# Altium PCB EDA-03517-V2-0_pcb.pcbdoc (part 4 of 5)
Units mm, origin at the board's own origin, x right, y up, seen from the top; angles counter-clockwise.
Board outline 220 x 264 mm, 8 copper layers (Top Layer, L2, L3, L4, L5, L6, L7, Bottom Layer), stack 2.18 mm thick; 439 components, 290 nets, 1011 pads, 273 vias.
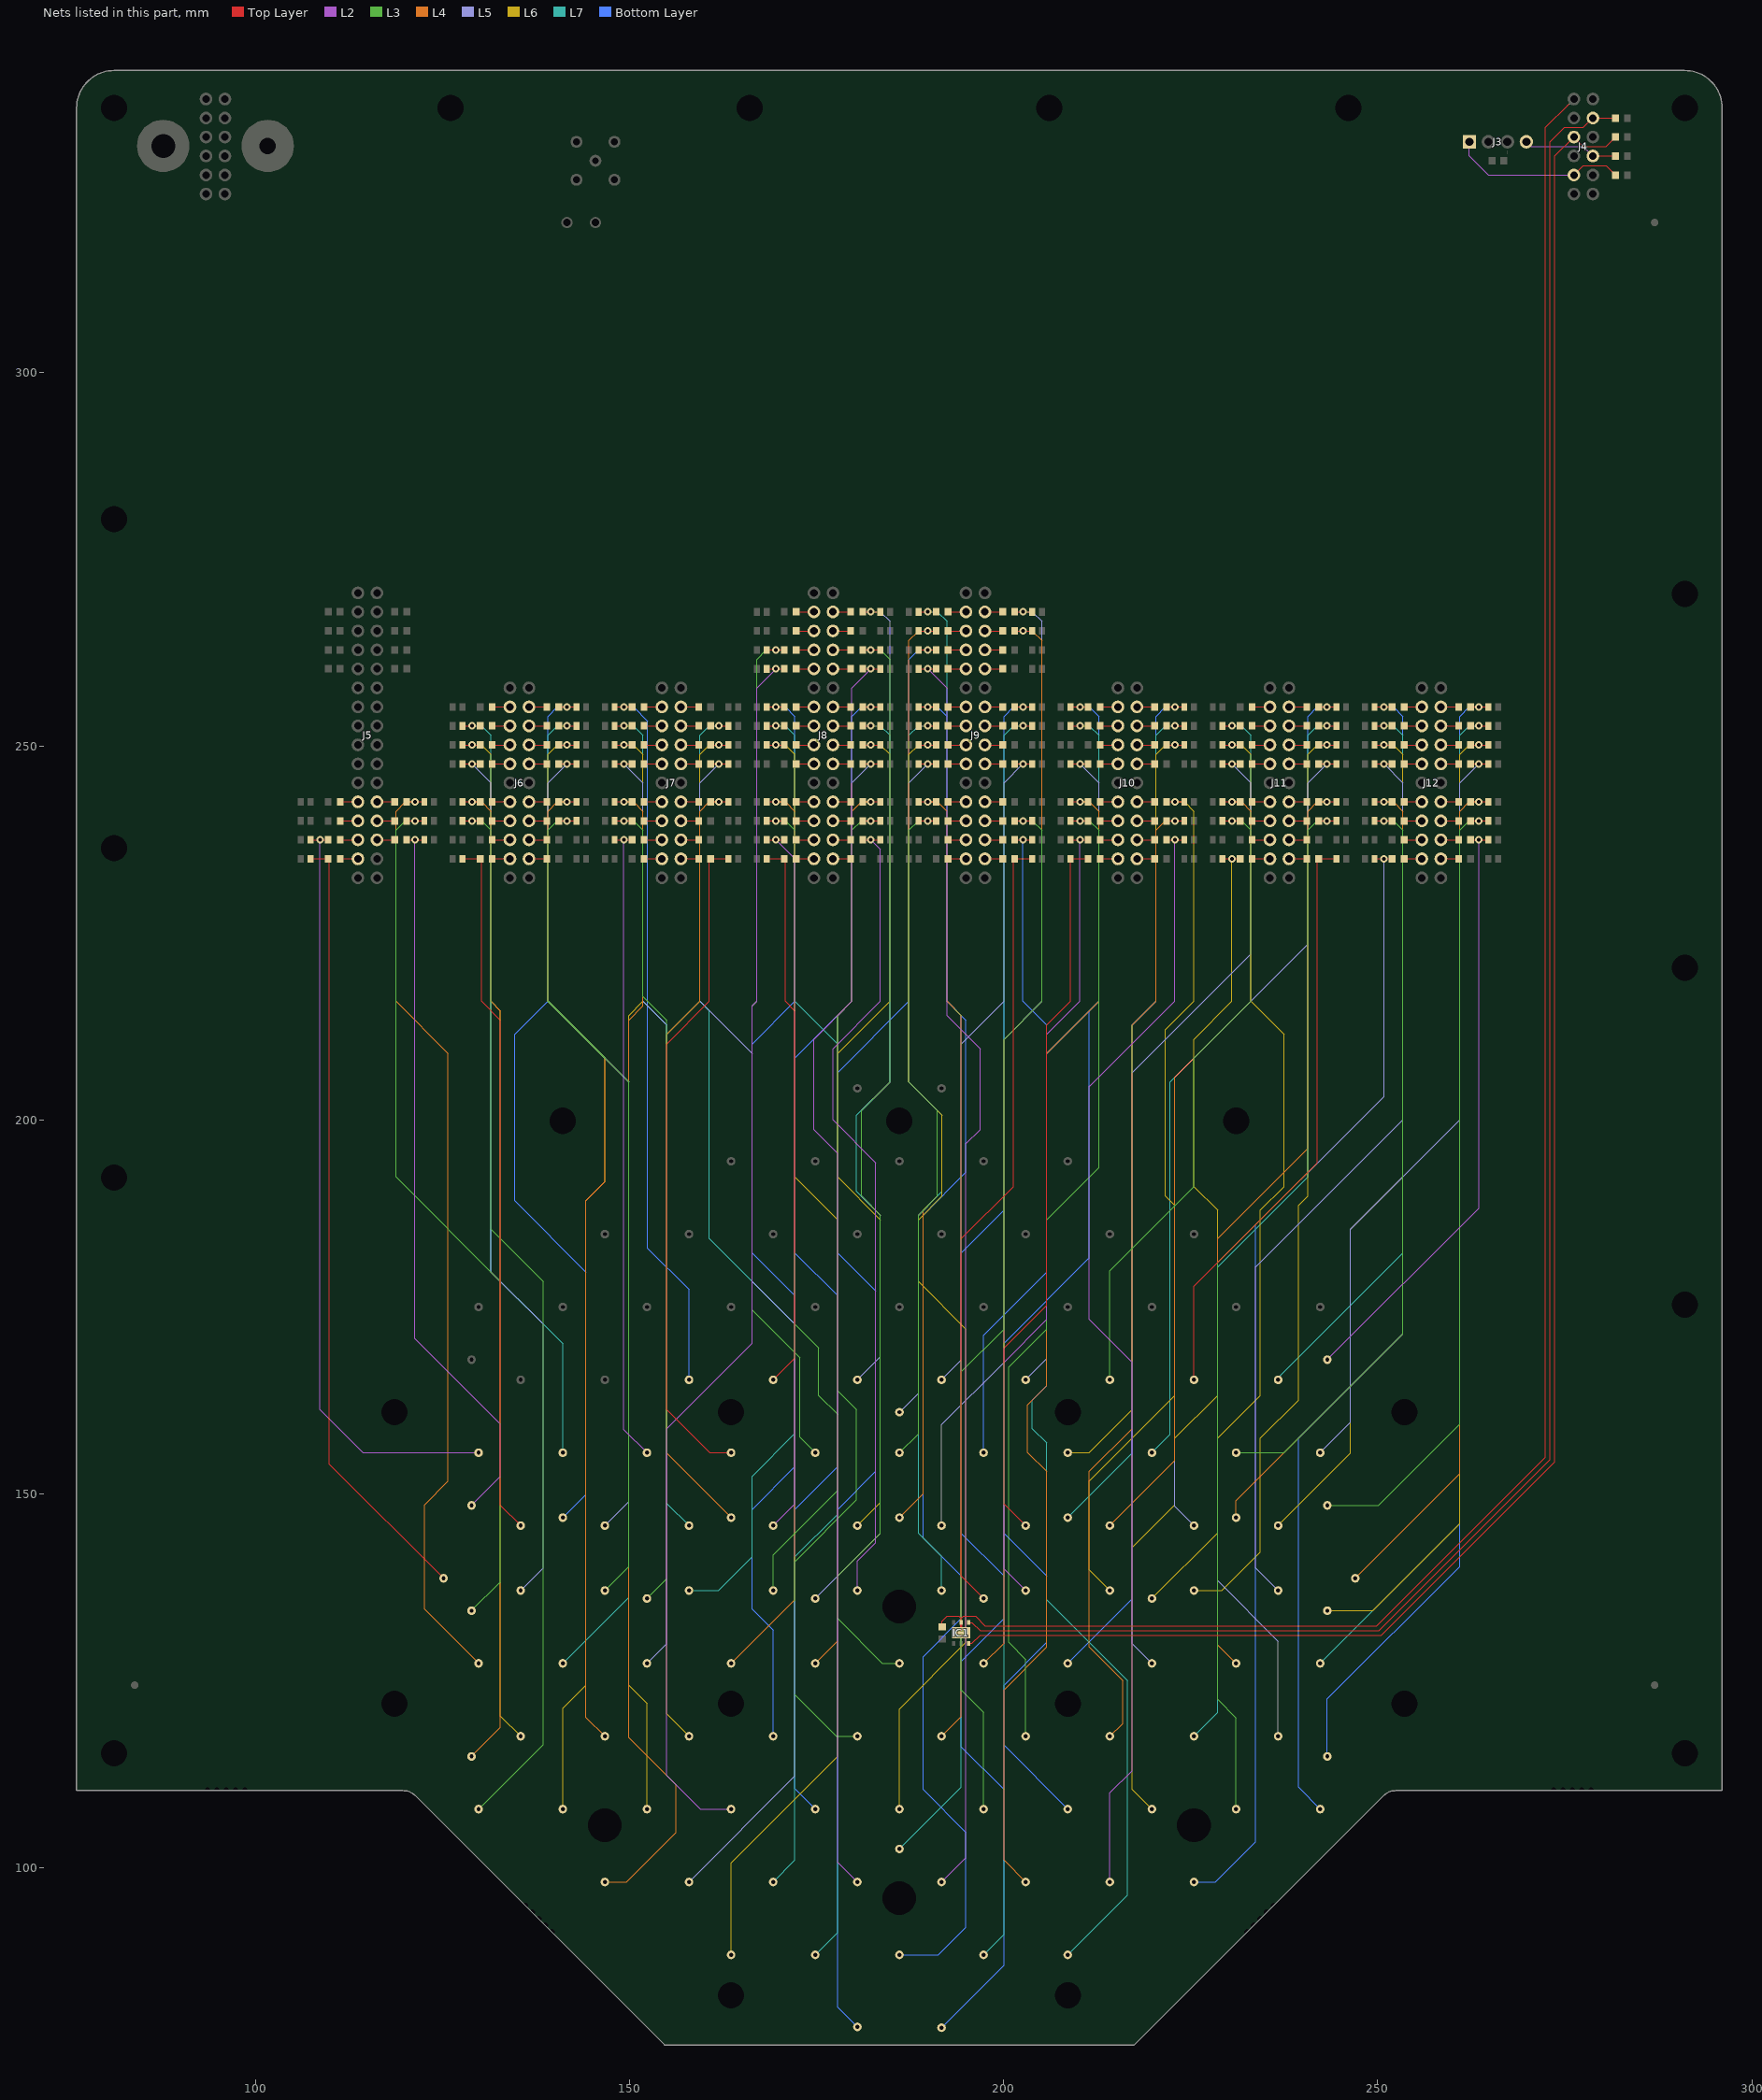
[diagram p10: the nets of this part, all layers, seen from the top]

## Via types
v1: diameter 1, hole 0.5, Top Layer to Bottom Layer, tented both sides, 273 vias

## Nets (pads, with @x,y where several pads share a name; then routed paths per layer and width w, separated by ;. In a path a pad name is that pad's centre, name@x,y a point inside that pad or via, vN(x,y) a via of type N, cw(c..) or ccw(c..) an arc to the next point about the centre after c; other vN are vias at no path point) (continued)
NetPP30_1: PP30.1 RB19.1 RS19.1 | length 96.7
  Top Layer w0.152: RB19.1@147.97,255.27 v1(149.225,255.27) RS19.1@150.33,255.27
  Bottom Layer w0.152: v1(149.225,255.27) 150.495,255.27 152.4,253.365 152.4,182.88 157.925,177.355 PP30.1@157.925,165.283
NetPP31_1: PP31.1 RB124.1 RS124.1 | length 73.8
  Top Layer w0.152: RB124.1@168.29,234.95 RS124.1@170.65,234.95 170.815,234.785 170.815,215.9 172.085,214.63 172.085,168.191 PP31.1@169.177,165.283
NetPP32_1: PP32.1 RB2.1 RS2.1 | length 110.8
  Top Layer w0.152: RS2.1@181.14,267.97 RB2.1@183.5,267.97
  L5 w0.152: PP32.1@180.429,165.283 183.515,168.369 183.515,187.325 180.975,189.865 180.975,201.295 184.785,205.105 184.785,266.7 183.515,267.97 v1(182.245,267.97)
NetPP33_1: PP33.1 RB65.1 RS65.1 | length 89.2
  Top Layer w0.152: RS65.1@201.46,247.65 RB65.1@203.82,247.65
  L5 w0.152: PP33.1@191.681,165.283 194.31,167.912 194.31,210.185 200.025,215.9 200.025,245.11 v1(202.565,247.65)
NetPP34_1: PP34.1 RB67.1 RS67.1 | length 89.8
  Top Layer w0.152: RB67.1@208.93,247.65 v1(210.185,247.65) RS67.1@211.29,247.65
  L5 w0.152: PP34.1@202.933,165.283 205.74,168.09 205.74,208.915 212.725,215.9 212.725,245.11 v1(210.185,247.65)
NetPP35_1: PP35.1 RB101.1 RS101.1 | length 86.7
  Top Layer w0.152: RB101.1@229.25,240.03 v1(230.505,240.03) RS101.1@231.61,240.03
  L3 w0.152: PP35.1@214.185,165.283 214.185,179.895 225.425,191.135 225.425,208.28 233.045,215.9 233.045,238.76 231.775,240.03 v1(230.505,240.03)
NetPP36_1: PP36.1 RB133.1 RS133.1 | length 78.9
  Top Layer w0.152: PP36.1@225.437,165.283 225.437,177.812 241.935,194.31 241.935,234.785 RS133.1@242.1,234.95 RB133.1@244.475,234.95
NetPP37_1: PP37.1 RB43.1 RS43.1 | length 98.5
  Top Layer w0.152: RB43.1@249.57,252.73 v1(250.825,252.73) RS43.1@251.93,252.73
  L7 w0.152: PP37.1@236.689,165.283 236.689,165.569 253.365,182.245 253.365,222.885 253.365,251.46 252.095,252.73 v1(250.825,252.73)
NetPP38_1: PP38.1 RB120.1 RS120.1 | length 80.3
  Top Layer w0.152: RS120.1@262.42,237.49 v1(263.525,237.49) RB120.1@264.78,237.49
  L2 w0.152: PP38.1@243.258,167.986 263.525,188.253 v1(263.525,237.49)
NetPP39_1: PP39.1 RB66.1 RS66.1 | length 93.8
  Top Layer w0.152: RB66.1@188.61,247.65 v1(189.865,247.65) RS66.1@190.97,247.65
  L5 w0.152: PP39.1@186.055,160.96 188.595,163.5 188.595,187.325 191.135,189.865 191.135,201.295 187.325,205.105 187.325,245.11 v1(189.865,247.65)
NetPP40_1: PP40.1 RB105.1 RS105.1 | length 102.2
  Top Layer w0.152: RB105.1@107.33,237.49 v1(108.585,237.49) RS105.1@109.69,237.49
  L2 w0.152: v1(108.585,237.49) 108.585,161.29 114.337,155.538 PP40.1@129.795,155.538
NetPP41_1: PP41.1 RB31.1 RS31.1 | length 105.3
  Top Layer w0.152: RB31.1@127.65,252.73 v1(128.905,252.73) RS31.1@130.01,252.73
  L7 w0.152: v1(128.905,252.73) 130.175,252.73 131.445,251.46 131.445,179.705 141.047,170.103 PP41.1@141.047,155.538
NetPP42_1: PP42.1 RB108.1 RS108.1 | length 85.6
  Top Layer w0.152: RB108.1@147.97,237.49 RS108.1@150.33,237.49
  L2 w0.152: v1(149.225,237.49) 149.225,158.612 PP42.1@152.299,155.538
NetPP43_1: PP43.1 RB128.1 RS128.1 | length 89.4
  Top Layer w0.152: RB128.1@163.18,234.95 RS128.1@160.82,234.95 160.655,234.785 160.655,215.9 154.94,210.185 154.94,161.29 160.692,155.538 PP43.1@163.551,155.538
NetPP44_1: PP44.1 RB9.1 RS9.1 | length 115.3
  Top Layer w0.152: RB9.1@168.29,262.89 v1(169.545,262.89) RS9.1@170.65,262.89
  L3 w0.152: v1(169.545,262.89) 168.275,262.89 167.005,261.62 167.005,215.9 166.37,215.265 166.37,174.625 172.72,168.275 172.72,157.621 PP44.1@174.803,155.538
NetPP45_1: PP45.1 RB98.1 RS98.1 | length 92.3
  Top Layer w0.152: RB98.1@188.61,240.03 v1(189.865,240.03) RS98.1@190.97,240.03
  L3 w0.152: PP45.1@186.055,155.538 188.595,158.078 188.595,187.325 191.135,189.865 191.135,201.295 187.325,205.105 187.325,238.76 188.595,240.03 v1(189.865,240.03)
NetPP46_1: PP46.1 RB111.1 RS111.1 | length 89.1
  Top Layer w0.152: RS111.1@201.46,237.49 v1(202.565,237.49) RB111.1@203.82,237.49
  Bottom Layer w0.152: PP46.1@197.307,155.538 197.307,171.272 205.74,179.705 205.74,212.725 202.565,215.9 v1(202.565,237.49)
NetPP47_1: PP47.1 RB54.1 RS54.1 | length 105.4
  Top Layer w0.152: RS54.1@221.78,250.19 v1(222.885,250.19) RB54.1@224.14,250.19
  L6 w0.152: PP47.1@208.559,155.538 211.418,155.538 217.17,161.29 217.17,212.725 220.345,215.9 220.345,248.92 221.615,250.19 v1(222.885,250.19)
NetPP48_1: PP48.1 RB41.1 RS41.1 | length 106.8
  Top Layer w0.152: RB41.1@229.25,252.73 v1(230.505,252.73) RS41.1@231.61,252.73
  L7 w0.152: PP48.1@219.811,155.538 222.25,157.977 222.25,205.105 233.045,215.9 233.045,251.46 231.775,252.73 v1(230.505,252.73)
NetPP49_1: PP49.1 RB103.1 RS103.1 | length 101.6
  Top Layer w0.152: RB103.1@249.57,240.03 v1(250.825,240.03) RS103.1@251.93,240.03
  L3 w0.152: PP49.1@231.063,155.538 237.453,155.538 253.365,171.45 253.365,238.76 252.095,240.03 v1(250.825,240.03)
NetPP50_1: PP50.1 RB72.1 RS72.1 | length 103.3
  Top Layer w0.152: RS72.1@262.42,247.65 v1(263.525,247.65) RB72.1@264.78,247.65
  L5 w0.152: PP50.1@242.315,155.538 246.38,159.603 246.38,185.42 260.985,200.025 260.985,245.11 v1(263.525,247.65)
NetPP51_1: PP51.1 RB106.1 RS106.1 | length 97.7
  Top Layer w0.152: RS106.1@120.18,237.49 v1(121.285,237.49) RB106.1@122.54,237.49
  L2 w0.152: v1(121.285,237.49) 121.285,170.815 132.715,159.385 132.715,152.36 PP51.1@128.852,148.497
NetPP52_1: PP52.1 RB127.1 RS127.1 | length 93.8
  Top Layer w0.152: RB127.1@127.65,234.95 RS127.1@130.01,234.95 130.175,234.785 130.175,215.9 132.715,213.36 132.715,148.5 PP52.1@135.421,145.794
NetPP53_1: PP53.1 RB60.1 RS60.1 | length 111.1
  Top Layer w0.152: RS60.1@140.5,247.65 v1(141.605,247.65) RB60.1@142.86,247.65
  L5 w0.152: v1(141.605,247.65) 139.065,245.11 139.065,215.9 149.86,205.105 149.86,148.981 PP53.1@146.673,145.794
NetPP54_1: PP54.1 RB33.1 RS33.1 | length 113.6
  Top Layer w0.152: RB33.1@147.97,252.73 v1(149.225,252.73) RS33.1@150.33,252.73
  L7 w0.152: v1(149.225,252.73) 150.495,252.73 151.765,251.46 151.765,215.9 154.94,212.725 154.94,148.779 PP54.1@157.925,145.794
NetPP55_1: PP55.1 RB109.1 RS109.1 | length 96.3
  Top Layer w0.152: RB109.1@168.29,237.49 v1(169.545,237.49) RS109.1@170.65,237.49
  L2 w0.152: PP55.1@169.177,145.794 172.085,148.702 172.085,234.95 v1(169.545,237.49)
NetPP56_1: PP56.1 RB50.1 RS50.1 | length 115.1
  Top Layer w0.152: RS50.1@181.14,250.19 RB50.1@183.5,250.19
  L6 w0.152: PP56.1@180.429,145.794 183.515,148.88 183.515,186.69 177.8,192.405 177.8,208.915 184.785,215.9 184.785,248.92 183.515,250.19 v1(182.245,250.19)
NetPP57_1: PP57.1 RB3.1 RS4.1 | length 131.9
  Top Layer w0.152: RS4.1@201.46,267.97 RB3.1@203.82,267.97
  L5 w0.152: PP57.1@191.681,145.794 191.681,159.296 200.025,167.64 200.025,210.82 205.105,215.9 205.105,225.425 205.105,266.7 203.835,267.97 v1(202.565,267.97)
NetPP58_1: PP58.1 RB130.1 RS130.1 | length 96.4
  Top Layer w0.152: PP58.1@202.933,145.794 200.025,148.702 200.025,169.545 205.74,175.26 205.74,212.725 208.915,215.9 208.915,234.935 RB130.1@208.93,234.95 RS130.1@211.29,234.95
NetPP59_1: PP59.1 RB85.1 RS85.1 | length 108.7
  Top Layer w0.152: RB85.1@229.25,242.57 RS85.1@231.61,242.57
  L4 w0.152: PP59.1@214.185,145.794 222.885,154.494 222.885,205.74 233.045,215.9 233.045,241.3 231.775,242.57 v1(230.505,242.57)
NetPP60_1: PP60.1 RB70.1 RS70.1 | length 113.7
  Top Layer w0.152: RS70.1@242.1,247.65 v1(243.205,247.65) RB70.1@244.46,247.65
  L5 w0.152: PP60.1@225.437,145.794 222.885,148.346 222.885,205.74 240.665,223.52 240.665,245.11 v1(243.205,247.65)
NetPP61_1: PP61.1 RB57.1 RS57.1 | length 115.5
  Top Layer w0.152: RB57.1@249.57,250.19 v1(250.825,250.19) RS57.1@251.93,250.19
  L6 w0.152: PP61.1@236.689,145.794 246.38,155.485 246.38,185.42 253.365,192.405 253.365,248.92 252.095,250.19 v1(250.825,250.19)
NetPP62_1: PP62.1 RB104.1 RS104.1 | length 107
  Top Layer w0.152: RS104.1@262.42,240.03 v1(263.525,240.03) RB104.1@264.78,240.03
  L3 w0.152: PP62.1@243.258,148.497 250.097,148.497 260.985,159.385 260.985,238.76 262.255,240.03 v1(263.525,240.03)
NetPP63_1: PP63.1 RB121.1 RS121.1 | length 104.9
  Top Layer w0.152: RB121.1@107.33,234.95 RS121.1@109.69,234.95 109.855,234.785 109.855,154.01 PP63.1@125.112,138.753
NetPP64_1: PP64.1 RB18.1 RS18.1 | length 119.6
  Top Layer w0.152: RS18.1@140.5,255.27 RB18.1@142.86,255.27
  Bottom Layer w0.152: PP64.1@141.047,146.864 144.145,149.962 144.145,179.705 134.62,189.23 134.62,211.455 139.065,215.9 139.065,254 140.335,255.27 v1(141.605,255.27)
NetPP65_1: PP65.1 RB92.1 RS92.1 | length 110.5
  Top Layer w0.152: RB92.1@147.97,240.03 RS92.1@150.33,240.03
  L3 w0.152: v1(149.225,240.03) 150.495,240.03 151.765,238.76 151.765,216.535 154.94,213.36 154.94,138.69 PP65.1@152.299,136.049
NetPP66_1: PP66.1 RB81.1 RS81.1 | length 105.3
  Top Layer w0.152: RS81.1@160.82,242.57 RB81.1@163.18,242.57
  L4 w0.152: v1(161.925,242.57) 160.655,242.57 159.385,241.3 159.385,221.297 159.385,215.9 154.94,211.455 154.94,155.475 PP66.1@163.551,146.864
NetPP67_1: PP67.1 RB64.1 RS64.1 | length 117
  Top Layer w0.152: RS64.1@181.14,247.65 RB64.1@183.5,247.65
  L5 w0.152: PP67.1@174.803,136.049 177.8,139.046 177.8,213.995 179.705,215.9 179.705,245.11 v1(182.245,247.65)
NetPP68_1: PP68.1 RB8.1 RS7.1 | length 126.4
  Top Layer w0.152: RB8.1@188.61,265.43 v1(189.865,265.43) RS7.1@190.97,265.43
  L4 w0.152: PP68.1@186.055,146.864 189.23,150.039 189.23,187.96 191.135,189.865 191.135,201.295 187.325,205.105 187.325,264.16 188.595,265.43 v1(189.865,265.43)
NetPP69_1: PP69.1 RB126.1 RS126.1 | length 105.5
  Top Layer w0.152: PP69.1@197.307,136.049 194.31,139.046 194.31,184.15 201.295,191.135 201.295,234.785 RS126.1@201.46,234.95 RB126.1@203.82,234.95
NetPP70_1: PP70.1 RB40.1 RS40.1 | length 114.9
  Top Layer w0.152: RS40.1@221.78,252.73 RB40.1@224.14,252.73
  L7 w0.152: PP70.1@208.559,146.864 217.17,155.475 217.17,212.725 220.345,215.9 220.345,251.46 221.615,252.73 v1(222.885,252.73)
NetPP71_1: PP71.1 RB55.1 RS55.1 | length 127.5
  Top Layer w0.152: RB55.1@229.25,250.19 v1(230.505,250.19) RS55.1@231.61,250.19
  L6 w0.152: PP71.1@219.811,136.049 228.6,144.838 228.6,157.48 234.315,163.195 234.315,187.96 237.49,191.135 237.49,211.455 233.045,215.9 233.045,248.92 231.775,250.19 v1(230.505,250.19)
NetPP72_1: PP72.1 RB87.1 RS87.1 | length 109.1
  Top Layer w0.152: RB87.1@249.57,242.57 v1(250.825,242.57) RS87.1@251.93,242.57
  L4 w0.152: PP72.1@231.063,146.864 231.063,149.148 253.365,171.45 253.365,241.3 252.095,242.57 v1(250.825,242.57)
NetPP73_1: PP73.1 RB88.1 RS88.1 | length 113.8
  Top Layer w0.152: RS88.1@262.42,242.57 v1(263.525,242.57) RB88.1@264.78,242.57
  L4 w0.152: PP73.1@246.998,138.753 260.985,152.74 260.985,241.3 262.255,242.57 v1(263.525,242.57)
NetPP74_1: PP74.1 RB90.1 RS90.1 | length 117.2
  Top Layer w0.152: RS90.1@120.18,240.03 v1(121.285,240.03) RB90.1@122.54,240.03
  L3 w0.152: v1(121.285,240.03) 120.015,240.03 118.745,238.76 118.745,192.405 132.715,178.435 132.715,138.279 PP74.1@128.852,134.415
NetPP75_1: PP75.1 RB59.1 RS59.1 | length 118.1
  Top Layer w0.152: RB59.1@127.65,247.65 v1(128.905,247.65) RS59.1@130.01,247.65
  L5 w0.152: v1(128.905,247.65) 131.445,245.11 131.445,179.705 138.43,172.72 138.43,140.128 PP75.1@135.421,137.119
NetPP76_1: PP76.1 RB91.1 RS91.1 | length 112.9
  Top Layer w0.152: RS91.1@140.5,240.03 RB91.1@142.86,240.03
  L3 w0.152: v1(141.605,240.03) 140.335,240.03 139.065,238.76 139.065,215.9 149.86,205.105 149.86,140.306 PP76.1@146.673,137.119
NetPP77_1: PP77.1 RB34.1 RS34.1 | length 133.2
  Top Layer w0.152: RS34.1@160.82,252.73 v1(161.925,252.73) RB34.1@163.18,252.73
  L7 w0.152: PP77.1@157.925,137.119 161.884,137.119 166.37,141.605 166.37,152.4 172.085,158.115 172.085,172.72 160.655,184.15 160.655,214.63 159.385,215.9 159.385,251.46 160.655,252.73 v1(161.925,252.73)
NetPP78_1: PP78.1 RB93.1 RS93.1 | length 113
  Top Layer w0.152: RB93.1@168.29,240.03 v1(169.545,240.03) RS93.1@170.65,240.03
  L3 w0.152: PP78.1@169.177,137.119 169.177,141.872 177.8,150.495 177.8,160.655 175.26,163.195 175.26,169.545 172.085,172.72 172.085,238.76 170.815,240.03 v1(169.545,240.03)
NetPP79_1: PP79.1 RB110.1 RS110.1 | length 109.3
  Top Layer w0.152: RS110.1@181.14,237.49 v1(182.245,237.49) RB110.1@183.5,237.49
  L2 w0.152: PP79.1@180.429,137.119 180.429,141.059 182.88,143.51 182.88,194.31 177.165,200.025 177.165,209.55 183.515,215.9 183.515,236.22 v1(182.245,237.49)
NetPP80_1: PP80.1 RB38.1 RS38.1 | length 124.2
  Top Layer w0.152: RB38.1@188.61,252.73 v1(189.865,252.73) RS38.1@190.97,252.73
  L7 w0.152: v1(189.865,252.73) 188.595,252.73 187.325,251.46 187.325,205.105 191.77,200.66 191.77,190.5 188.595,187.325 188.595,144.78 191.681,141.694 PP80.1@191.681,137.119
NetPP81_1: PP81.1 RB115.1 RS115.1 | length 108.1
  Top Layer w0.152: RB115.1@208.93,237.49 v1(210.185,237.49) RS115.1@211.29,237.49
  L2 w0.152: PP81.1@202.933,137.119 200.025,140.027 200.025,167.64 205.74,173.355 205.74,211.455 210.185,215.9 v1(210.185,237.49)
NetPP82_1: PP82.1 RB84.1 RS84.1 | length 117.6
  Top Layer w0.152: RS84.1@221.78,242.57 v1(222.885,242.57) RB84.1@224.14,242.57
  L6 w0.152: PP82.1@214.185,137.119 211.455,139.849 211.455,151.765 222.885,163.195 222.885,188.595 221.615,189.865 221.615,212.09 225.425,215.9 225.425,241.3 224.155,242.57 v1(222.885,242.57)
NetPP83_1: PP83.1 RB56.1 RS56.1 | length 125.7
  Top Layer w0.152: RS56.1@242.1,250.19 v1(243.205,250.19) RB56.1@244.46,250.19
  L6 w0.152: PP83.1@225.437,137.119 229.194,137.119 234.315,142.24 234.315,157.48 239.395,162.56 239.395,188.595 240.665,189.865 240.665,248.92 241.935,250.19 v1(243.205,250.19)
NetPP84_1: PP84.1 RB71.1 RS71.1 | length 123.3
  Top Layer w0.152: RB71.1@249.57,247.65 v1(250.825,247.65) RS71.1@251.93,247.65
  L5 w0.152: PP84.1@236.689,137.119 233.68,140.128 233.68,180.34 253.365,200.025 253.365,245.11 v1(250.825,247.65)
NetPP85_1: PP85.1 RB58.1 RS58.1 | length 130.8
  Top Layer w0.152: RS58.1@262.42,250.19 v1(263.525,250.19) RB58.1@264.78,250.19
  L6 w0.152: PP85.1@243.258,134.415 249.35,134.415 260.985,146.05 260.985,248.92 262.255,250.19 v1(263.525,250.19)
NetPP86_1: PP86.1 RB74.1 RS74.1 | length 126.6
  Top Layer w0.152: RS74.1@120.18,242.57 v1(121.285,242.57) RB74.1@122.54,242.57
  L4 w0.152: v1(121.285,242.57) 120.015,242.57 118.745,241.3 118.745,215.9 125.73,208.915 125.73,151.765 122.555,148.59 122.555,134.615 PP86.1@129.795,127.375
NetPP87_1: PP87.1 RB32.1 RS32.1 | length 137.6
  Top Layer w0.152: RS32.1@140.5,252.73 v1(141.605,252.73) RB32.1@142.86,252.73
  L7 w0.152: PP87.1@141.047,127.375 149.86,136.188 149.86,205.105 139.065,215.9 139.065,251.46 140.335,252.73 v1(141.605,252.73)
NetPP88_1: PP88.1 RB61.1 RS61.1 | length 126.1
  Top Layer w0.152: RB61.1@147.97,247.65 v1(149.225,247.65) RS61.1@150.33,247.65
  L5 w0.152: v1(149.225,247.65) 151.765,245.11 151.765,215.9 154.94,212.725 154.94,130.016 PP88.1@152.299,127.375
NetPP89_1: PP89.1 RB77.1 RS77.1 | length 122.9
  Top Layer w0.152: RB77.1@168.29,242.57 v1(169.545,242.57) RS77.1@170.65,242.57
  L4 w0.152: PP89.1@163.551,127.375 172.085,135.909 172.085,241.3 170.815,242.57 v1(169.545,242.57)
NetPP90_1: PP90.1 RB78.1 RS78.1 | length 121.4
  Top Layer w0.152: RS78.1@181.14,242.57 v1(182.245,242.57) RB78.1@183.5,242.57
  L4 w0.152: PP90.1@174.803,127.375 177.8,130.372 177.8,213.995 179.705,215.9 179.705,241.3 180.975,242.57 v1(182.245,242.57)
NetPP91_1: PP91.1 RB10.1 RS10.1 | length 149.4
  Top Layer w0.152: RS10.1@181.14,262.89 v1(182.245,262.89) RB10.1@183.5,262.89
  L3 w0.152: v1(182.245,262.89) 183.515,262.89 184.785,261.62 184.785,205.105 180.975,201.295 180.975,189.865 183.515,187.325 183.515,144.78 177.8,139.065 177.8,133.35 183.775,127.375 PP91.1@186.055,127.375
NetPP92_1: PP92.1 RB7.1 RS8.1 | length 145.4
  Top Layer w0.152: RS8.1@201.46,265.43 v1(202.565,265.43) RB7.1@203.82,265.43
  L4 w0.152: PP92.1@197.307,127.375 200.025,130.093 200.025,210.82 205.105,215.9 205.105,264.16 203.835,265.43 v1(202.565,265.43)
NetPP93_1: PP93.1 RB26.1 RS26.1 | length 136.9
  Top Layer w0.152: RS26.1@221.78,255.27 RB26.1@224.14,255.27
  Bottom Layer w0.152: PP93.1@208.559,127.375 217.17,135.986 217.17,212.725 220.345,215.9 220.345,254 221.615,255.27 v1(222.885,255.27)
NetPP94_1: PP94.1 RB69.1 RS69.1 | length 131.4
  Top Layer w0.152: RB69.1@229.25,247.65 v1(230.505,247.65) RS69.1@231.61,247.65
  L5 w0.152: PP94.1@219.811,127.375 217.17,130.016 217.17,206.375 233.045,222.25 233.045,245.11 v1(230.505,247.65)
NetPP95_1: PP95.1 RB86.1 RS86.1 | length 125.4
  Top Layer w0.152: RS86.1@242.1,242.57 v1(243.205,242.57) RB86.1@244.46,242.57
  L4 w0.152: PP95.1@231.063,127.375 228.6,129.838 228.6,184.15 240.665,196.215 240.665,241.3 241.935,242.57 v1(243.205,242.57)
NetPP96_1: PP96.1 RB44.1 RS44.1 | length 137.2
  Top Layer w0.152: RS44.1@262.42,252.73 v1(263.525,252.73) RB44.1@264.78,252.73
  L7 w0.152: PP96.1@242.315,127.375 260.985,146.045 260.985,251.46 262.255,252.73 v1(263.525,252.73)
NetPP97_1: PP97.1 RB80.1 RS80.1 | length 133.9
  Top Layer w0.152: RB80.1@127.65,242.57 RS80.1@130.01,242.57
  L4 w0.152: PP97.1@128.852,114.926 132.715,118.79 132.715,214.63 131.445,215.9 131.445,241.3 130.175,242.57 v1(128.905,242.57)
NetPP98_1: PP98.1 RB45.1 RS45.1 | length 138.4
  Top Layer w0.152: RB45.1@127.65,250.19 v1(128.905,250.19) RS45.1@130.01,250.19
  L6 w0.152: v1(128.905,250.19) 130.175,250.19 131.445,248.92 131.445,220.98 131.445,215.9 132.715,214.63 132.715,120.336 PP98.1@135.421,117.63
NetPP99_1: PP99.1 RB75.1 RS75.1 | length 134.4
  Top Layer w0.152: RS75.1@140.5,242.57 RB75.1@142.86,242.57
  L4 w0.152: v1(141.605,242.57) 140.335,242.57 139.065,241.3 139.065,215.9 146.685,208.28 146.685,191.77 144.145,189.23 144.145,120.158 PP99.1@146.673,117.63
NetPP100_1: PP100.1 RB48.1 RS48.1 | length 139.8
  Top Layer w0.152: RS48.1@160.82,250.19 v1(161.925,250.19) RB48.1@163.18,250.19
  L6 w0.152: PP100.1@157.925,117.63 154.94,120.615 154.94,211.455 159.385,215.9 159.385,248.92 160.655,250.19 v1(161.925,250.19)
NetPP101_1: PP101.1 RB21.1 RS21.1 | length 150.1
  Top Layer w0.152: RB21.1@168.29,255.27 RS21.1@170.65,255.27
  Bottom Layer w0.152: PP101.1@169.177,117.63 169.177,131.813 166.37,134.62 166.37,147.955 172.085,153.67 172.085,176.53 166.37,182.245 166.37,210.185 172.085,215.9 172.085,254 170.815,255.27 v1(169.545,255.27)
NetPP102_1: PP102.1 RB94.1 RS94.1 | length 136.9
  Top Layer w0.152: RS94.1@181.14,240.03 v1(182.245,240.03) RB94.1@183.5,240.03
  L3 w0.152: PP102.1@180.429,117.63 177.645,117.63 172.085,123.19 172.085,140.97 180.34,149.225 180.34,161.29 177.8,163.83 177.8,213.995 179.705,215.9 179.705,238.76 180.975,240.03 v1(182.245,240.03)
NetPP103_1: PP103.1 RB82.1 RS82.1 | length 131
  Top Layer w0.152: RB82.1@188.61,242.57 v1(189.865,242.57) RS82.1@190.97,242.57
  L4 w0.152: v1(189.865,242.57) 191.135,242.57 192.405,241.3 192.405,215.9 194.31,213.995 194.31,120.259 PP103.1@191.681,117.63
NetPP104_1: PP104.1 RB99.1 RS99.1 | length 132.5
  Top Layer w0.152: RB99.1@208.93,240.03 v1(210.185,240.03) RS99.1@211.29,240.03
  L3 w0.152: PP104.1@202.933,117.63 202.933,127.902 200.66,130.175 200.66,167.005 205.74,172.085 205.74,186.69 212.725,193.675 212.725,238.76 211.455,240.03 v1(210.185,240.03)
NetPP105_1: PP105.1 RB100.1 RS100.1 | length 132.8
  Top Layer w0.152: RS100.1@221.78,240.03 v1(222.885,240.03) RB100.1@224.14,240.03
  L4 w0.152: PP105.1@214.185,117.63 215.9,119.345 215.9,125.095 211.455,129.54 211.455,153.035 217.17,158.75 217.17,212.725 220.345,215.9 220.345,238.76 221.615,240.03 v1(222.885,240.03)
NetPP106_1: PP106.1 RB42.1 RS42.1 | length 145.6
  Top Layer w0.152: RS42.1@242.1,252.73 v1(243.205,252.73) RB42.1@244.46,252.73
  L7 w0.152: PP106.1@225.437,117.63 228.6,120.793 228.6,180.34 240.665,192.405 240.665,251.46 241.935,252.73 v1(243.205,252.73)
NetPP107_1: PP107.1 RB134.1 RS134.1 | length 132.2
  Top Layer w0.152: RB134.1@249.57,234.95 v1(250.825,234.95) RS134.1@251.93,234.95
  L5 w0.152: PP107.1@236.689,117.63 236.689,130.341 228.6,138.43 228.6,180.975 250.825,203.2 v1(250.825,234.95)
NetPP108_1: PP108.1 RB30.1 RS30.1 | length 151.8
  Top Layer w0.152: RS30.1@262.42,255.27 RB30.1@264.78,255.27
  Bottom Layer w0.152: PP108.1@243.258,114.926 243.258,122.608 260.985,140.335 260.985,254 262.255,255.27 v1(263.525,255.27)